# Altium PCB HallFM2.PcbDoc (continued)
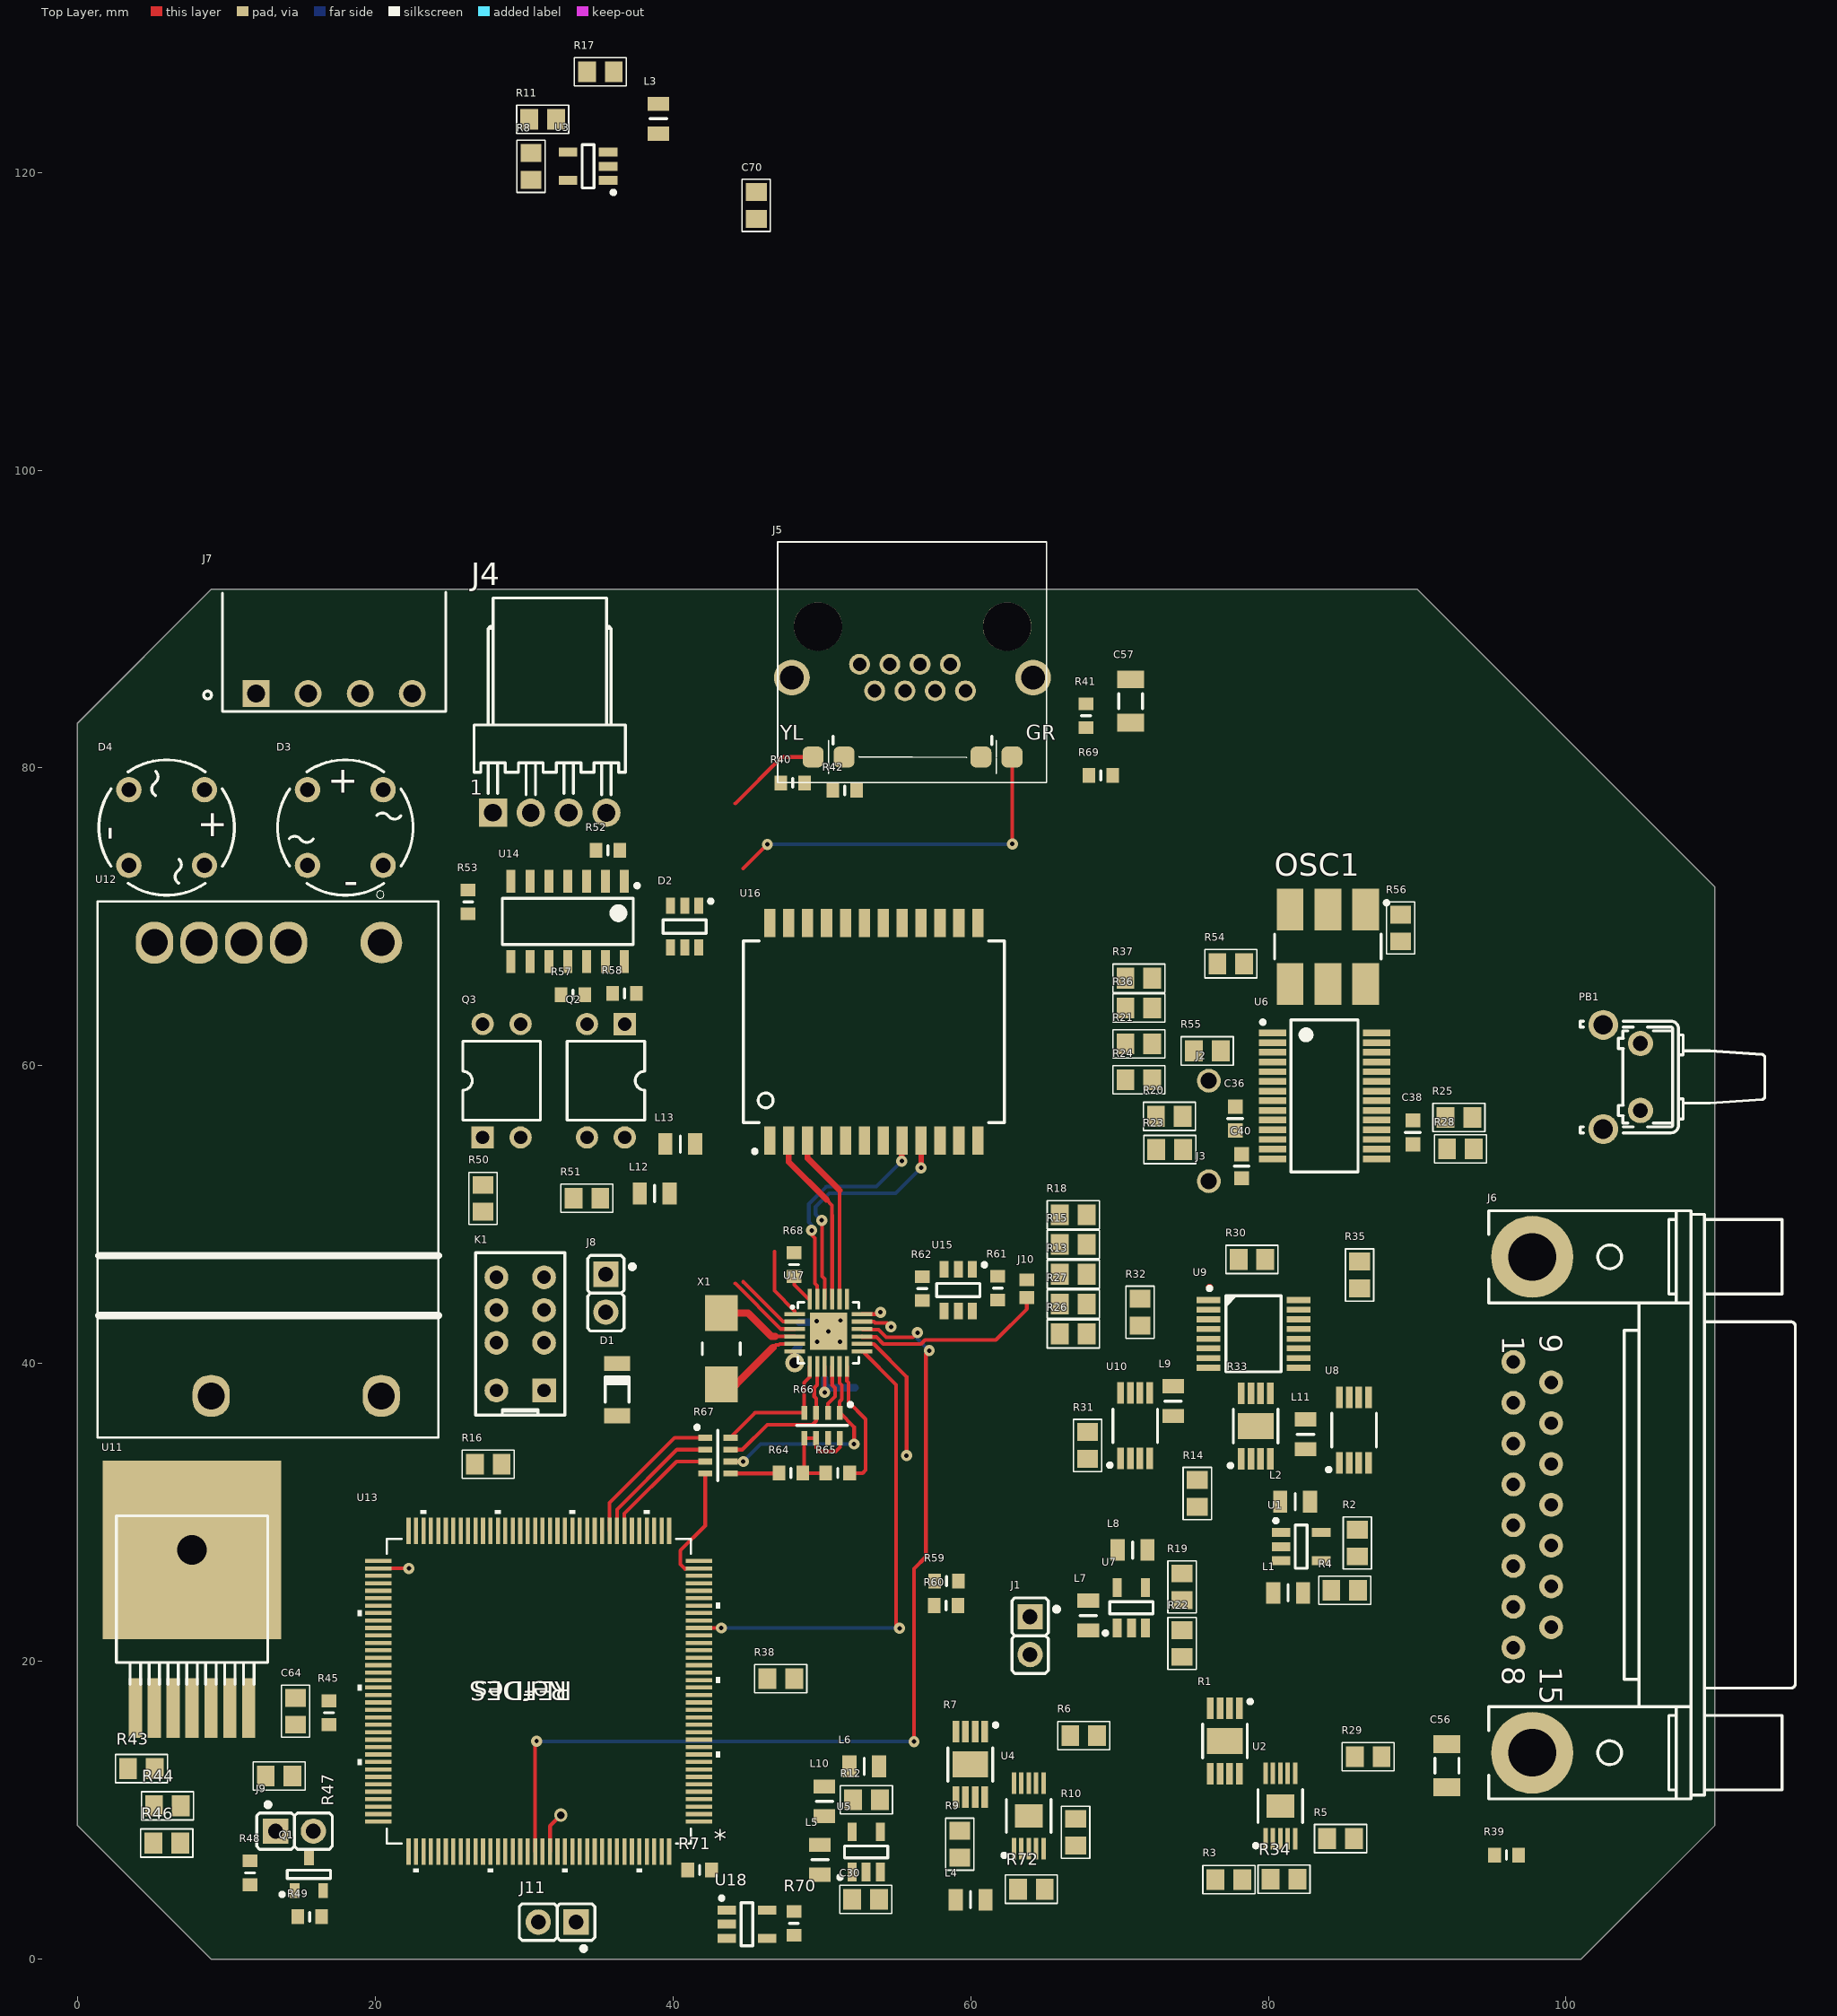
[diagram p0: Top Layer view]
## Part data (continued)
J4: library part WF4R, "Вилка  WF4", Device=WF-4R, Name to order=WF-4R, Price=20, SMD Solders=0, Solder Option=RM, THD Solders=4, Vendor=Confly
J5: "1 Port, 8 Positions, CAT5 RJ45 Modular Connector With Yellow And Green fibers for LEDs", Device=Molex_438600010, Name to order=438600010, Pkg=Molex_438600010, Price=320, SMD Solders=4, Solder Option=RM, THD Solders=10, Vendor=Molex
J6: library part D_SUB_15F, "Вилка  DSUB 9 угловая", Device=DBR-15F, Name to order="DRB- 15MA (DBR-15F) (DS1037-15F)", Price=50, SMD Solders=0, Solder Option=RM, THD Solders=17, Vendor=Connfly
J7: "Вилка  WF4", Device=15EDGRC-3.5-04P-14, Name to order=15EDGRC-3.5-04P-14, Price=50, SMD Solders=0, Solder Option=RM, THD Solders=4, Vendor=Degson
J8: library part PLS2, "PLS2", Device=PLS2, Price=1, SMD Solders=0, Solder Option=RM, THD Solders=2, Vendor=Confly
J10: "PLS2", Device=JmpPCB, Price=1, SMD Solders=1, Solder Option=i, THD Solders=0, Vendor=-
K1: library part "G6J-2P-Y 12VDC", "Электромагнитное реле", Current=9mA, Voltage=110V, Device=G6J-2P-Y, Name to order="G6J-2P-Y 12VDC", Pkg=11x6mm, Price=200, SMD Solders=0, Solder Option=RM, THD Solders=8, Vendor=Omron
L1 L2 L3 L4 L5 L6 L7 L8 L9 L10 L11 L12 L13 L14: library part BLM21, "SMD Ferrite bead 0805", Device=BLM21, Pkg=SMD0805, Price=10, SMD Solders=2, Solder Option=RM, Vendor=Vishay
OSC1: library part XLH730, "Генератор кварцевый", Current=0, Device=XLH730, Name to order=XLH730004.915200I, Pkg=7x5mm, Price=400, SMD Solders=2, Solder Option=RM, THD Solders=0, Vendor=Renesas
PB1: library part PBAngle, "Push Button Angle NO", Device=PushButt, Name to order=2-1825027-0, Pkg=7x7mm, Price=1, SMD Solders=0, Solder Option=RM, THD Solders=4, Vendor="TE Conn"
Q1: "PMOS", Voltage=-30V, Device=AO3407A, Name to order=AO3407A, Pkg=SOT23, Price=10, SMD Solders=3, Solder Option=RM, THD Solders=0, Vendor=UMW
Q2 Q3: "Optotransistor", Current=0, Voltage=35V, Device=817B, Name to order=817B, Pkg=DIP4, Price=10, SMD Solders=0, Solder Option=RM, THD Solders=4, Vendor=UMW
R1 R7: library part LT5400, "4 прецизионных резистора", Tolerance=0..025%, Device=LT5400, Name to order=LT5400BMPMS8E-6#PBF, Pkg="MSOP 9-0.65", Price=2, Pwr=40C/W, SMD Solders=0, Solder Option=i, TC=200ppb/C, THD Solders=0, Vendor="Analog Devices"
R2 R3 R4 R5 R8 R9 R10 R11 R12 R13 R14 R15 R16 R17 R18 R19 R20 R21 R22 R23 R24 R25 R26 R27 R28 R29 R30 R31 R32 R34 R35 R36 R37 R38 R43 R44 R46 R47 R50 R51 R54 R55 R56 R72: library part R0805, "Чип резистор 0805", Tolerance=1%, Device=Res0805, Pkg=SMD0805, Price=2, Pwr=125mW, SMD Solders=2, TC=100ppm/C, Vendor=Vishay
  R2 R3 R4 R5 R8 R9 R10 R12 R13 R15 R16 R17 R18 R19 R20 R23 R24 R25 R26 R27 R28 R29 R30 R31 R32 R34 R35 R36 R37 R38 R43 R44 R46 R47 R50 R51 R54 R72: Solder Option=RM
  R11 R14 R21 R22 R55 R56: Solder Option=DNP
R6: library part Y1172, "Прецизионный чип резистор 0805", Tolerance=1%, Device=Y1172, Name to order=Y1172200R0000xxx, Pkg=SMD0805, Price=2, Pwr=125mW, SMD Solders=2, Solder Option=RM, TC=2ppm/C, Vendor=Vishay
R33: library part LT5400_7, "4 прецизионных резистора", Tolerance=0..025%, Device=LT5400, Name to order=LT5400BMPMS8E-7#PBF, Pkg="MSOP 9-0.65", Price=2, Pwr=40C/W, SMD Solders=0, Solder Option=i, TC=200ppb/C, THD Solders=0, Vendor="Analog Devices"
R39 R40 R41 R42 R45 R48 R49 R52 R53 R57 R58 R59 R60 R61 R62 R64 R65 R68 R69 R70 R71: library part R0603, "Чип резистор 0603", Tolerance=1%, Device=Res603, Pkg=SMD0603, Price=2, Pwr=60mW, SMD Solders=2, TC=100ppm/C, Vendor=Vishay
  R39 R40 R41 R42 R45 R48 R52 R53 R57 R58 R59 R60 R61 R62 R64 R65 R68 R69 R70 R71: Solder Option=RM
  R49: Solder Option=DNP
R63 R66 R67: library part CAY16, "Сборка из 4х чип резисторов", Tolerance=5%, Device=CAY16, Pkg=so8-80, Price=2, Pwr=60mW, SMD Solders=8, Solder Option=RM, TC=200ppm/C, THD Solders=0, Vendor=Bourns
  R63: Name to order="CAY16-510j4  or CAY16-510F4"
  R66: Name to order=CAY16-10k0j4
  R67: Name to order=CAY16-330j4
U1 U3 U5 U7: library part ADP7118, "Positive LDO Linear stabilizer", Device=ADP7118, Pkg=SOT23-5, Price=100, SMD Solders=5, Solder Option=RM, Vendor="Analog Devoces"
  U1 U3 U5: Name to order=ADP7118AUJZ-5.0-R7
  U7: Name to order=ADP7118AUJZ-3.3-R7
U2 U4: "Current source v 100uA ref", Current=200ma, Tolerance=1%, Voltage="max 20V", Device=LT3042, Name to order=LT3042EMSE, Pkg="MSOP10 PowPad", Price=1200, SMD Solders=11, Solder Option=DiY, TC=10ppm/C, THD Solders=0, Vendor="Analog Devices Inc"
U6: library part ADS1234, "АЦП", Current=3, Voltage="2V7 to 5V3", Device=ADS1234, Name to order=ADS1234IPWR, Pkg=SOIC8_EP, Price=1500, SMD Solders=28, Solder Option=RM, TC=10-300nV/C, THD Solders=0, Vendor="Texas  Instruments"
U8: library part LTC6655B-5, "Low noise precision reference,", Voltage=max13.2V, Device=LTC6655, Name to order=LTC6655LNBHMS8-2.5, Pkg=MSOP65-8, Price=6000, SMD Solders=8, Solder Option=RM, TC=2ppm/C, Vendor="Analog Devices Inc"
U9: "Мультиплексор аналоговый дифференциальный 4 канала", Current=0, Device=ADG1609, Name to order=ADG1608BRUZ, Pkg=TSSOP65-16, Price=700, SMD Solders=16, Solder Option=RM, THD Solders=0, Vendor="Analog Devoces"
U10: "Op amp", Current=1, Voltage="+-5 to +-27.5V", Device=ADA4522, Pkg=MASOP8-65, Price=600, SMD Solders=8, Solder Option=RM, TC=1uV/C, Vendor="Analog Devices Inc"
U11: library part LMZ12003, "DC-DC Power Module", thVoltage=-, Device=LMZ12003, Name to order=LMZ12003EXT, Pkg="NDW 7", PkgCode=EXT, Price=11000, SMD Solders=8, Solder Option=EXT, THD Solders=0, Vendor="Texas Instruments"
U12: library part MYBSP0122BABFT, "POE isolated DC-DC 24W", Voltage=+12V, Device=MYBSP0122BABFT+CB, Name to order=MYBSP0, Pkg=35x23mm, Price=1000, SMD Solders=7, Solder Option=RM, THD Solders=0, Vendor=Murata
U13: "High-performance and DSP with FPU, Arm Cortex-M7 MCU with 1 Mbyte of Flash memory, 216 MHz CPU, Art Accelerator, L1 cache, HW crypto, SDRAM, TFT", Manufacturer_Name=STMicroelectronics, Copyright="Copyright (C) 2025 Ultra Librarian. All rights reserved.", Datasheet=https://www.st.com/resource/en/datasheet/stm32f756bg.pdf, Manufacturer_Part_Number=STM32F756ZGT6, Pkg=LQFP144, Price=4000, RefDes=RefDes, SMD Solders=144, THD Solders=0, Type=Type
U14: "6 триггеров Шмита с инверсией.", Voltage="2.. 6V", Device=74HC14D, Name to order=74HC14D, Pkg=SOIC14, Price=50, SMD Solders=14, Solder Option=RM, Vendor=NXP
U15: library part TPS3808, "Supervisory Circuit. Low-Quiescent-Current, Programmable-Delay", Current=6uA, thVoltage=3070mV, Device=TPS3808, Name to order=TPS3808G33DBV, Pkg=SOT23-6, Price=200, SMD Solders=6, Solder Option=RM, THD Solders=0, Vendor="Texas Instruments"
U16: "Ethernet transformer IEEE 802.3", Current=0, Device=H5007NL, Name to order=H5007NL, Pkg=SO24-1.27, Price=400, SMD Solders=24, Solder Option=RM, THD Solders=0, Vendor=Yageo
U17: library part LAN8742, "Supervisory Circuit. Low-Quiescent-Current, Programmable-Delay", Current=6uA, Device=LAN8742A-CZ, Name to order=LAN8742A-CZ, Pkg=VQFN25-0.50, Price=700, SMD Solders=25, Solder Option=i, THD Solders=0, Vendor=MicroChip
U18: library part AT24C, "Isolateted DC DC 5V->5V or 3V3 60mA", Current=2uA/2mA, Device=AT24C16, Name to order=AT24C16M5/TR, Pkg=SOT23-5, Price=20, SMD Solders=5, Solder Option=RM, THD Solders=0, Vendor=HGSemi
X1: library part AA-25, "Резонатор кварцевый", Current=0, Device=AA-, Name to order=AA-25.000MALE-T, Pkg=5x3,2, Price=300, SMD Solders=2, Solder Option=RM, THD Solders=0, Vendor=TXS
J1 J9 J11: Device=PLS2, Price=1, SMD Solders=0, Solder Option=RM, THD Solders=2, Vendor=Confly

## Via types
v1: diameter 0.75, hole 0.3, Top Layer to Bottom Layer, 24 vias
v2: diameter 1.27, hole 0.711, Top Layer to Bottom Layer, 1 vias
v3: diameter 0.9, hole 0.5, Top Layer to Bottom Layer, 1 vias

## Nets (pads, with @x,y where several pads share a name; then routed paths per layer and width w, separated by ;. In a path a pad name is that pad's centre, name@x,y a point inside that pad or via, vN(x,y) a via of type N, cw(c..) or ccw(c..) an arc to the next point about the centre after c; other vN are vias at no path point)
1+: C37.2 C47.2 R20.2 U6.11
1-: C37.1 C48.2 R23.2 U6.12
2+: C38.2 C49.2 R25.2 U6.18
2-: C38.1 C50.2 R28.2 U6.17
2V5ref: C31.2 L11.2 R33.1 U6.20
3+: C40.2 C51.2 R29.2 U6.13
3-: C40.1 C52.2 R30.2 U6.14
3V3: C60.2 C61.2 C64.2 C65.2 C75.2 J6.8 L12.1 L13.1 R45.1 U11.7
"3V3 Ethernet": C74.2 C76.2 L13.2 L14.2 R64.1 R65.1 R66.5 R66.6 R66.8 | length 7.8
  Top Layer w0.25: R65.1 R64.1 48.825,32.75 R66.5 R66.6 49.625,34.35 49.875,34.1 50.925,34.1 51.225,34.4 R66.8
3V3D_ADC: C26.1 L8.2 U6.1
3V3uC: C67.2 C68.2 C69.2 C72.2 C73.2 C89.2 C90.2 C91.2 C92.2 C93.2 C94.2 C95.2 C96.2 C97.2 C98.2 C99.2 C100.2 C101.2 C102.2 C103.2 C104.2 C105.1 D2.5 L12.2 OSC1.6 R51.2 R56.1 R59.1 R60.1 R61.1 R62.1 R70.2 R71.2 U13.6 U13.17 U13.30 U13.32 U13.33 U13.39 U13.52 U13.62 U13.71 U13.72 U13.84 U13.95 U13.106 U13.108 U13.121 U13.131 U13.144 U14.14 U15.5 U15.6 U18.4
4+: C45.2 C53.2 R32.2 U6.16
4-: C45.1 C54.2 R35.2 U6.15
5VA_ADC: C25.1 C55.2 L6.2 U6.22 U9.14
+12V_MW: J8.1 J9.2 K1.4 K1.5 Q1.2 R50.2
+12V_POE: K1.2 K1.7 U12.7
GND: C1.2 C2.2 C3.1 C4.1 C5.1 C6.1 C7.1 C8.1 C9.1 C10.1 C11.1 C12.1 C13.2 C14.2 C15.1 C16.1 C17.1 C18.1 C19.1 C20.1 C21.1 C22.1 C23.1 C24.1 C25.2 C26.2 C27.1 C28.1 C29.1 C30.1 C31.1 C32.1 C33.1 C34.1 C35.1 C39.1 C41.1 C42.1 C43.1 C44.1 C46.1 C47.1 C48.1 C49.1 C50.1 C51.1 C52.1 C53.1 C54.1 C55.1 C56.1 C57.1 C58.1 C59.1 C60.1 C61.1 C62.1 C63.1 C65.1 C66.1 C67.1 C68.1 C69.1 C71.2 C72.1 C73.1 C74.1 C75.1 C76.1 C77.1 C78.1 C79.1 C80.1 C81.1 C82.1 C83.1 C84.1 C85.1 C86.1 C87.2 C88.2 C89.1 C90.1 C91.1 C92.1 C93.1 C94.1 C95.1 C96.1 C97.1 C98.1 C99.1 C100.1 C101.1 C102.1 C103.1 C104.1 C105.2 D1.2 D2.2 D5.2 J1.2 J4.1 J6.15 J7.3 J7.4 J11.2 K1.8 OSC1.3 PB1.2 Q2.3 Q3.2 R1.9 R4.1 R5.1 R7.9 R10.1 R11.1 R14.1 R21.2 R22.1 R33.7 R34.1 R39.2 R40.1 R41.1 R42.1 R46.2 R47.2 R49.2 R66.7 R68.1 R69.2 R72.1 U1.2 U2.4 U2.6 U2.8 U2.11 U3.2 U4.4 U4.6 U4.8 U4.11 U5.2 U6.2 U6.5 U6.6 U6.19 U6.21 U7.2 U8.3 U8.4 U8.5 U8.8 U9.3 U9.5 U9.6 U9.10 U9.12 U9.15 U10.4 U11.8 U12.6 U13.16 U13.31 U13.38 U13.51 U13.61 U13.83 U13.94 U13.107 U13.120 U13.130 U14.5 U14.7 U14.9 U15.2 U17.25 U18.2 | length 1.2
  Bottom Layer w0.5: C81.1 49.6,42.775 v1(49.675,42.85)
  other v1: 49.7,41.475 51.225,41.475 50.45,42.175 51.25,42.9
Hal_current_2mA: C3.2 C8.2 J6.2 R1.2 R1.3 R1.4 U2.9
iT+: C15.2 C20.2 J6.9 R7.2 R7.3 R7.8 U4.9 U9.4
iT-: J6.10 J11.1 U9.13
NetC1_1: C1.1 C2.1 R1.6 R1.7 U2.10
NetC4_2: C4.2 C5.2 L1.2 U1.1 U1.3
NetC6_2: C6.2 C7.2 L2.1 L4.1 R2.2 U1.5
NetC9_2: C9.2 C10.2 L2.2 R3.1 U2.1 U2.2
NetC11_2: C11.2 C12.2 R1.1 U2.7
NetC13_1: C13.1 C14.1 R7.6 R7.7 U4.10
NetC16_2: C16.2 C17.2 L3.2 U3.1 U3.3
NetC18_2: C18.2 C19.2 R8.2 U3.5
NetC21_2: C21.2 C22.2 L4.2 R9.1 U4.1 U4.2
NetC23_2: C23.2 C24.2 R7.1 U4.7
NetC27_2: C27.2 C28.2 L5.2 U5.1 U5.3
NetC29_2: C29.2 C30.2 L6.1 R12.2 U5.5
NetC32_2: C32.2 C33.2 L7.2 U7.1 U7.3
NetC34_2: C34.2 C35.2 L8.1 R19.2 U7.5
NetC36_1: C36.1 J3.1 U6.10
NetC36_2: C36.2 J2.1 U6.9
NetC39_2: C39.2 L9.1 U10.7
NetC41_2: C41.2 C42.2 L11.1 U8.7
NetC43_2: C43.2 U8.6
NetC44_2: C44.2 L10.2 U8.1 U8.2
NetC46_2: C46.2 R33.2 R33.8 U10.3
NetC56_2: C56.2 J6.17 R39.1
NetC57_2: C57.2 J5.13 J5.14 R42.2
NetC58_2: C58.2 C59.2 C62.2 C63.2 R43.1 R44.1 U11.1
NetC64_1: C64.1 R45.2 R47.1 U11.6
NetC66_2: C66.2 U11.5
NetC80_2: C80.2 C84.2 C86.2 U17.9 | length 4.5
  Top Layer w0.25: v1(50.2,38.075) U17.9
  Bottom Layer w0.5: v1(50.2,38.075) 50.2,38.375 C86.2 ; C80.2@50.2,38.575 C80.2
NetC81_2: C81.2 C83.2 U17.6 | length 2.4
  Top Layer w0.25: U17.6@47.925,40.825 U17.6 v2(48.195,40.055)
  Bottom Layer w0.5: v2@48.289,40.125 48.289,40.149 v2(48.195,40.055) 48.195,40.895 C81.2
NetC87_1: C87.1 U17.4 X1.1 | length 5.6
  Top Layer w0.25: 46.875,41.825 U17.4
  Top Layer w0.5: X1.1 45.05,43.4 46.625,41.825 46.875,41.825
NetC88_1: C88.1 U17.5 X1.2 | length 6.1
  Top Layer w0.25: 46.725,41.075 46.75,41.075 46.925,41.25 47.113,41.25 47.188,41.325 U17.5
  Top Layer w0.5: X1.2 44.25,38.6 46.725,41.075
NetD1_1: D1.1 J8.2 K1.1
NetD2_1: D2.1 R58.1 U14.13
NetD2_3: D2.3 R53.1 U14.4
NetD2_4: D2.4 R57.1 U14.11
NetD2_6: D2.6 R52.1 U14.2
NetD3_1: D3.1 D4.1 U12.1
NetD3_2: D3.2 U16.24
NetD3_3: D3.3 D4.3 Q3.3 U12.5
NetD3_4: D3.4 J5.6 U16.16
NetD4_2: D4.2 U16.15
NetD4_4: D4.4 U16.21
NetJ1_1: J1.1 R6.1 R30.1
NetJ4_2: J4.2 R53.2
NetJ4_3: J4.3 R58.2
NetJ5_1: J5.1 U16.23
NetJ5_2: J5.2 U16.22
NetJ5_3: J5.3 U16.17
NetJ5_4: J5.4 U16.20
NetJ5_5: J5.5 U16.19
NetJ5_7: J5.7 U16.14
NetJ5_8: J5.8 U16.13
NetJ5_9: J5.9 U17.3 | length 11.8
  Top Layer w0.25: 44.2,45.384 47.259,42.325 U17.3 ; 44.2,77.625 47.312,80.737 J5.9
NetJ5_10: J5.10 R40.2
NetJ5_11: J5.11 R69.1 U17.2 | length 29.2
  Top Layer w0.25: 44.725,45.495 47.395,42.825 U17.2 ; 44.725,73.25 v1(46.35,74.875) ; J5.11 62.8,80.717 v1(62.8,74.9)
  Bottom Layer w0.25: v1(46.35,74.875) 62.775,74.875 v1(62.8,74.9)
NetJ5_12: J5.12 R41.2
NetJ6_1: J6.1 R6.2 R29.1
NetJ7_1: J7.1 J7.2 J9.1 Q1.3 R48.1
NetJ10_1: J10.1 U17.15 | length 13
  Top Layer w0.25: U17.15 52.705,41.79 53.676,41.79 54.139,41.327 56.668,41.327 56.941,41.6 61.7,41.6 63.78,43.68 J10.1
NetK1_3: K1.3 K1.6 L1.1 L3.1 L5.1 L7.1 L9.2 L10.1
NetOSC1_1: OSC1.1 R56.2
NetOSC1_4: OSC1.4 R54.1 U13.23
NetPB1_1: PB1.1 U15.3
NetQ1_1: Q1.1 R48.2 R49.1
NetQ2_1: Q2.1 U12.4
NetQ2_2: Q2.2 U12.3
NetQ2_4: Q2.4 R51.1 U13.141
NetQ3_1: Q3.1 R50.1
NetQ3_4: Q3.4 U12.2
NetR1_5: R1.5 R1.8
NetR2_1: R2.1 R4.2 U1.4
NetR3_2: R3.2 R34.2 U2.3
NetR5_2: R5.2 U2.5
NetR8_1: R8.1 R11.2 U3.4
NetR9_2: R9.2 R72.2 U4.3
NetR10_2: R10.2 U4.5
NetR12_1: R12.1 R14.2 U5.4
NetR13_1: R13.1 U6.24
NetR13_2: R13.2 U13.14
NetR15_1: R15.1 U6.23
NetR15_2: R15.2 U13.15
NetR16_1: R16.1 U6.28
NetR16_2: R16.2 U13.69
NetR17_1: R17.1 U6.27
NetR17_2: R17.2 U13.28
NetR18_1: R18.1 U6.26
NetR18_2: R18.2 U13.22
NetR19_1: R19.1 R22.2 U7.4
NetR21_1: R21.1 R54.2 R55.2 U6.3
NetR24_1: R24.1 U6.25
NetR24_2: R24.2 U13.21
NetR26_1: R26.1 U6.8
NetR26_2: R26.2 U13.12
NetR27_1: R27.1 U6.7
NetR27_2: R27.2 U13.13
NetR31_1: R31.1 U10.2
NetR32_1: R32.1 U9.8
NetR35_1: R35.1 U9.9
NetR36_1: R36.1 U13.18
NetR36_2: R36.2 U9.1
NetR37_1: R37.1 U13.19
NetR37_2: R37.2 U9.16
NetR38_1: R38.1 U13.20
NetR38_2: R38.2 U9.2
NetR43_2: R43.2 U11.2
NetR44_2: R44.2 R46.1 U11.3
NetR52_2: R52.2 U14.3
NetR55_1: R55.1 U13.97
NetR57_2: R57.2 U14.12
NetR62_2: R62.2 U15.4
NetR63_5: R63.5 R63.6 R63.7 R63.8
NetR64_2: R64.2 R67.5 U17.14 | length 12.5
  Top Layer w0.25: R67.5 47.1,32.625 R64.2 ; U17.14 53.505,41.325 55.7,39.13 v1(55.7,33.825)
  Bottom Layer w0.25: v1@55.65,33.775 v1(55.7,33.825)
NetR66_1: R66.1 R67.6 U17.11 | length 14.5
  Top Layer w0.25: R67.6 v1(44.725,33.425) ; U17.11 51.2,38.701 51.35,38.551 51.35,37.599 51.2,37.449 51.2,36.725 R66.1 52.175,35.75 v1(52.175,34.6)
  Bottom Layer w0.25: v1(44.725,33.425) 45.9,34.6 v1(52.175,34.6)
NetR66_2: R66.2 U17.10 | length 3.4
  Top Layer w0.25: R66.2 50.425,37.31 50.9,37.785 50.9,38.365 50.7,38.565 U17.10
NetR66_3: R66.3 R67.7 U17.8 | length 10.4
  Top Layer w0.25: R67.7 44.665,34.225 46.34,35.9 49.375,35.9 49.625,36.15 R66.3 49.625,37.66 49.5,37.785 49.5,38.365 49.7,38.565 U17.8
NetR66_4: R66.4 R67.8 U17.7 | length 8.9
  Top Layer w0.25: R67.8 43.875,35.05 45.525,36.7 R66.4 48.825,38.732 49.2,39.107 U17.7
NetR68_2: R68.2 U17.24 | length 2
  Top Layer w0.25: R68.2 48.15,45.3 49.12,44.33 U17.24
NetR70_1: R70.1 U13.138 U18.3
NetR71_1: R71.1 U13.140 U18.1
NetU13_96: U13.96 U14.1
NetU13_124: U13.124 U14.10
NRST: J10.2 R61.2 U15.1
PA1_REF_CLK: R67.4 U13.35 | length 8.2
  Top Layer w0.25: U13.35 40.86,26.25 40.825,26.215 40.754,26.285 40.746,26.285 40.5,26.531 40.5,27.45 42.175,29.125 R67.4
PA2_MDIO: R65.2 U13.36 U17.12 | length 8.6
  Top Layer w0.25: U17.12 51.7,38.838 51.8,38.738 51.8,37.425 52.95,36.275 52.95,32.85 52.75,32.65 R65.2
PA7_CSR_DV: R67.3 U13.43 | length 8
  Top Layer w0.25: U13.43 36.75,29.925 40.25,33.425 R67.3
PB13_TXD1: U13.74 U17.18 | length 49.1
  Top Layer w0.25: U13.74 v1(22.275,26.25) ; U17.18 53.826,43.325 v1(53.953,43.452)
  Signal Layer 2 w0.25: v1(22.275,26.25) 39.275,26.25 40.175,27.15 49.475,27.15 53.953,31.628 v1(53.953,43.452)
PC1_MDC: U13.27 U17.13 | length 33.1
  Top Layer w0.25: U13.27 v1(43.25,22.25) ; U17.13 52.75,40.825 55,38.575 55,22.45 v1(55.225,22.225)
  Bottom Layer w0.25: v1(43.25,22.25) 55.2,22.25 v1(55.225,22.225)
PC4_RXD0: R67.2 U13.44 | length 9
  Top Layer w0.25: U13.44 36.25,30.2 40.275,34.225 R67.2
PC5_RXD1: R67.1 U13.45 | length 10.1
  Top Layer w0.25: U13.45 35.75,30.65 40.125,35.025 R67.1
PG11_TX_EN: U13.126 U17.16 | length 65.3
  Top Layer w0.25: U13.126 30.75,14.55 v1(30.85,14.65) ; U17.16 52.74,42.29 53.812,42.29 54.325,41.777 56.128,41.777 v1(56.428,42.077) v1@56.315,42.19 ; v1(56.2,14.625) 56.2,26.225 57,27.025 57,40.65 v1(57.225,40.875)
  Bottom Layer w0.25: v1(30.85,14.65) 30.875,14.625 v1(56.2,14.625) ; v1(56.428,42.077) 56.428,41.672 v1(57.225,40.875)
PG13_TXD0: U13.128 U17.17 | length 46.9
  Top Layer w0.25: U13.128 31.75,8.95 v3(32.475,9.675) ; U17.17 53.505,42.825 53.59,42.74 54.39,42.74 v1(54.653,42.477)
  Signal Layer 2 w0.25: v3(32.475,9.675) 32.686,9.675 54.653,31.641 v1(54.653,42.477)
ProbeEEPROM_SCL: J6.14 R60.2 U13.11
ProbeEEPROM_SDA: J6.7 R59.2 U13.10
RD_N: D5.1 R63.2 U16.9 U17.22 | length 16.5
  Top Layer w0.25: v1(50,49.625) 50.028,49.597 50.028,45.864 50.2,45.692 50.2,45.478 50.205,45.473 50.205,45.038 50.2,45.033 U17.22
  Top Layer w0.35: v1(56.675,53.15) U16.9
  Bottom Layer w0.25: v1(50,49.625) 49.588,50.037 49.588,50.538 50.5,51.45 54.975,51.45 v1(56.675,53.15)
RD_P: D5.3 R63.1 U16.8 U17.23 | length 15.4
  Top Layer w0.25: v1(49.328,48.953) 49.328,48.647 49.55,48.425 49.55,45.6 49.55,45.386 49.7,45.236 U17.23
  Top Layer w0.4: v1(55.375,53.6) 55.375,54.945 U16.8
  Bottom Layer w0.25: v1(49.328,48.953) 49.328,49.307 49.138,49.498 49.138,50.724 50.314,51.9 53.675,51.9 v1(55.375,53.6)
TD_N: D5.4 R63.4 U16.3 U17.20 | length 11.5
  Top Layer w0.25: U17.20 51.2,51.643
  Top Layer w0.4: U16.3 49.055,53.788 51.2,51.643
TD_P: D5.6 R63.3 U16.2 U17.21 | length 11.9
  Top Layer w0.25: 50.325,51.01 50.698,50.637 50.698,49.975
  Top Layer w0.254: 50.698,49.975 50.698,49.92 50.702,49.916 50.702,49.334 50.698,49.33 50.698,45.159 50.7,45.157 U17.21
  Top Layer w0.4: U16.2 47.785,53.55 50.325,51.01
VCalibr: R31.2 U9.7 U9.11 U10.6
VDDA_Eth: C71.1 C77.2 C78.2 C79.2 C82.2 C85.2 D5.5 L14.1 U16.1 U16.4 U16.7 U16.10 U17.1 U17.19 | length 4.8
  Top Layer w0.25: 46.825,47.525 46.825,44.9 48.195,43.53 U17.1
VHall1N: J6.11 R23.1
VHall1P: J6.12 R20.1
VHall2N: J6.3 R28.1
VHall2P: J6.4 R25.1
pads on no net: C70.1 C70.2 J4.4 J5.0 J6.5 J6.6 J6.13 J6.16 OSC1.2 OSC1.5 PB1.3 PB1.4 R7.4 R7.5 R33.3 R33.4 R33.5 R33.6 R33.9 U6.4 U10.1 U10.5 U10.8 U11.4 U13.1 U13.2 U13.3 U13.4 U13.5 U13.7 U13.8 U13.9 U13.24 U13.25 U13.26 U13.29 U13.34 U13.37 U13.40 U13.41 U13.42 U13.46 U13.47 U13.48 U13.49 U13.50 U13.53 U13.54 U13.55 U13.56 U13.57 U13.58 U13.59 U13.60 U13.63 U13.64 U13.65 U13.66 U13.67 U13.68 U13.70 U13.73 U13.75 U13.76 U13.77 U13.78 U13.79 U13.80 U13.81 U13.82 U13.85 U13.86 U13.87 U13.88 U13.89 U13.90 U13.91 U13.92 U13.93 U13.98 U13.99 U13.100 U13.101 U13.102 U13.103 U13.104 U13.105 U13.109 U13.110 U13.111 U13.112 U13.113 U13.114 U13.115 U13.116 U13.117 U13.118 U13.119 U13.122 U13.123 U13.125 U13.127 U13.129 U13.132 U13.133 U13.134 U13.135 U13.136 U13.137 U13.139 U13.142 U13.143 U14.6 U14.8 U16.5 U16.6 U16.11 U16.12 U16.18 U18.5

## Silkscreen, mask and mechanical layers (free items; w line width, h text height)
Mechanical 3:
  circle w0.02: c63.813,46.806 r1.6
  circle w0.02: c-4.387,78.806 r1.6
  circle w0.02: c-19.287,-7.094 r2.067
  circle w0.02: c-11.287,41.906 r1.75
  circle w0.02: c-11.287,41.906 r5
  circle w0.02: c-11.287,41.906 r6
  circle w0.02: c-4.387,34.306 r1.6
  circle w0.02: c105.713,-7.094 r2.067
  circle w0.02: c97.713,41.906 r1.75
  circle w0.02: c90.813,34.306 r1.6
  circle w0.02: c97.713,41.906 r5
  circle w0.02: c97.713,41.906 r6
  circle w0.02: c-19.287,90.906 r2.067
  circle w0.02: c105.713,90.906 r2.067
  circle w0.02: c98.2,20.649 r1.6
  lines w0.02: -21.702,-7.741 cw(c-19.287,-7.094) -19.934,-9.509 ; -21.702,90.259 cw(c-19.287,90.906) -19.934,88.491 ; -20.233,-8.932 cw(c-17.287,-9.094) -17.449,-6.148 ; -20.233,92.744 ccw(c-17.287,92.906) -17.449,89.961 ; 103.298,-7.741 cw(c105.713,-7.094) 105.066,-9.509 ; 103.298,90.259 cw(c105.713,90.906) 105.066,88.491 ; 103.875,-6.148 cw(c103.713,-9.094) 106.659,-8.932 ; 103.875,89.961 ccw(c103.713,92.906) 106.659,92.744 ; 105.756,61.387 107.756,61.387 ; -23.787,2.133 ccw(c-18.787,2.133) -20.911,-2.394 -9.909,-7.556 ; -23.787,2.133 -23.787,81.68 ; -23.787,2.133 -23.787,-7.072 ccw(c-18.465,-7.072) -14.787,-10.918 -11.787,-8.048 cw(c-10.405,-9.494) -9.909,-7.556 ; -23.787,81.68 cw(c-18.787,81.68) -20.911,86.206 -9.909,91.369 ; -23.787,81.68 -23.787,90.885 cw(c-18.465,90.885) -14.787,94.73 -11.787,91.861 ccw(c-10.405,93.306) -9.909,91.369 ; -20.787,4.406 ccw(c-15.209,4.406) -17.338,-0.749 ; -20.787,4.406 -20.787,79.406 ; -20.787,4.406 -18.787,4.406 ; -20.787,79.406 cw(c-15.209,79.406) -17.338,84.562 ; -20.787,79.406 -18.787,79.406 ; -18.787,4.406 ccw(c-15.209,4.406) -16.575,1.099 ; -18.787,4.406 -18.787,79.406 ; -18.787,79.406 cw(c-15.209,79.406) -16.575,82.713 ; -17.338,-0.749 cw(c-50.121,-80.117) -2.857,-8.423 ; -17.338,-0.749 -16.575,1.099 ; -17.338,84.562 ccw(c-50.121,163.93) -2.857,92.235 ; -17.338,84.562 -16.575,82.713 ; -16.575,1.099 cw(c-50.121,-80.117) -1.756,-6.753 ; -16.575,82.713 ccw(c-50.121,163.93) -1.756,90.566 ; -9.909,-7.556 cw(c-10.405,-9.494) -9.231,-7.875 -4.787,-11.096 ccw(c-0.787,-5.579) -0.787,-12.394 31.213,-12.394 ; -9.909,91.369 ccw(c-10.405,93.306) -9.231,91.687 -4.787,94.909 cw(c-0.787,89.392) -0.787,96.206 87.213,96.206 cw(c87.213,89.392) 91.213,94.909 95.657,91.687 ccw(c96.831,93.306) 96.336,91.369 ; -2.857,-8.423 ccw(c0.213,-3.765) 0.213,-9.344 ; -2.857,-8.423 -1.756,-6.753 ; -2.857,92.235 cw(c0.213,87.578) 0.213,93.156 ; -2.857,92.235 -1.756,90.566 ; -1.756,-6.753 ccw(c0.213,-3.765) 0.213,-7.344 ; -1.756,90.566 cw(c0.213,87.578) 0.213,91.156 ; 0.213,-9.344 86.213,-9.344 ; 0.213,-9.344 0.213,-7.344 ; 0.213,-7.344 86.213,-7.344 ; 0.213,91.156 86.213,91.156 cw(c86.213,87.578) 88.182,90.566 ; 0.213,91.156 0.213,93.156 ; 0.213,93.156 86.213,93.156 cw(c86.213,87.578) 89.283,92.235 ; 31.213,-12.394 31.213,-14.994 -23.387,-14.994 cw(c-23.387,-11.994) -26.387,-11.994 -26.387,95.806 cw(c-23.387,95.806) -23.387,98.806 109.813,98.806 cw(c109.813,95.806) 112.813,95.806 112.813,-11.994 cw(c109.813,-11.994) 109.813,-14.994 55.213,-14.994 55.213,-12.394 ; 31.213,-12.394 31.213,-11.844 55.213,-11.844 55.213,-12.394 ; 55.213,-12.394 87.213,-12.394 ccw(c87.213,-5.579) 91.213,-11.096 95.657,-7.875 cw(c96.831,-9.494) 96.336,-7.556 ; 86.213,-9.344 ccw(c86.213,-3.765) 89.283,-8.423 ; 86.213,-9.344 86.213,-7.344 ; 86.213,-7.344 ccw(c86.213,-3.765) 88.182,-6.753 ; 88.182,-6.753 cw(c136.547,-80.117) 103.001,1.099 ; 88.182,-6.753 89.283,-8.423 ; 88.182,90.566 ccw(c136.547,163.93) 103.001,82.713 ; 88.182,90.566 89.283,92.235 ; 89.283,-8.423 cw(c136.547,-80.117) 103.764,-0.749 ; 89.283,92.235 ccw(c136.547,163.93) 103.764,84.562 ; 96.336,-7.556 cw(c96.831,-9.494) 98.213,-8.048 101.213,-10.918 ccw(c104.891,-7.072) 110.213,-7.072 110.213,2.133 ; 96.336,-7.556 107.337,-2.394 ccw(c105.213,2.133) 110.213,2.133 ; 96.336,91.369 ccw(c96.831,93.306) 98.213,91.861 101.213,94.73 cw(c104.891,90.885) 110.213,90.885 110.213,81.68 ; 96.336,91.369 107.337,86.206 cw(c105.213,81.68) 110.213,81.68 ; 103.001,1.099 ccw(c101.635,4.406) 105.213,4.406 ; 103.001,1.099 103.764,-0.749 ; 103.001,82.713 cw(c101.635,79.406) 105.213,79.406 ; 103.001,82.713 103.764,84.562 ; 103.764,-0.749 ccw(c101.635,4.406) 107.213,4.406 ; 103.764,84.562 cw(c101.635,79.406) 107.213,79.406 ; 105.213,4.406 105.213,79.406 ; 105.213,4.406 107.213,4.406 ; 105.213,79.406 107.213,79.406 ; 107.213,4.406 107.213,79.406 ; 110.213,2.133 110.213,81.68
  lines w0.5: 0,9 0,0 10,0
Mechanical 4:
  lines w0.05: -14,20.425 -14,36.425 ; -14,24 5.875,24
Mechanical 17:
  circle w0.02: c89.6,80.149 r1.6
Mechanical 18:
  lines w0.5: 2.25,6.75 0,9 0,83 9,92 90,92 110,72 110,9 101,0 9,0 6.75,2.25 ; 2,7 2,7 ; 2,7 7,2 ; 7,2 7,2

## Text inside footprints (layer, text, board x,y; h text height)
D3: Top Overlay "+" at 16.8,78.32 h1.8; Top Overlay "-" at 17.895,71.48 h2; Mechanical 14 "+" at 16.8,78.32 h1.8; Mechanical 14 "-" at 17.895,71.48 h2
D4: Top Overlay "+" at 8.32,77.2 h1.8 r270; Top Overlay "-" at 1.48,76.105 h2 r270; Mechanical 14 "+" at 8.32,77.2 h1.8 r270; Mechanical 14 "-" at 1.48,76.105 h2 r270
J4: Top Overlay "1" at 26.348,78.193 h1; Mechanical 14 "1" at 26.348,78.193 h1
J5: Top Overlay "YL" at 47.21,81.88 h1; Top Overlay "GR" at 63.72,81.88 h1
J6: Top Overlay "15" at 98.238,19.679 h1.5 r270; Top Overlay "8" at 95.698,19.679 h1.5 r270; Top Overlay "1" at 95.698,41.869 h1.5 r270; Top Overlay "9" at 98.238,41.996 h1.5 r270
U13: Top Overlay "*" at 43.611,9.254 h1.27 r180; Top Overlay "RefDes" at 32.905,18.635 h1.27 r180; Top Overlay "REFDES" at 33.223,18.635 h1.27 r180; Mechanical 13 "*" at 41.033,9.635 h1.27 r180; Mechanical 13 "RefDes2" at 33.223,18.635 h1.27 r180